# Altium PCB Cueing-PCB.PcbDoc (part 1 of 2) (continued)
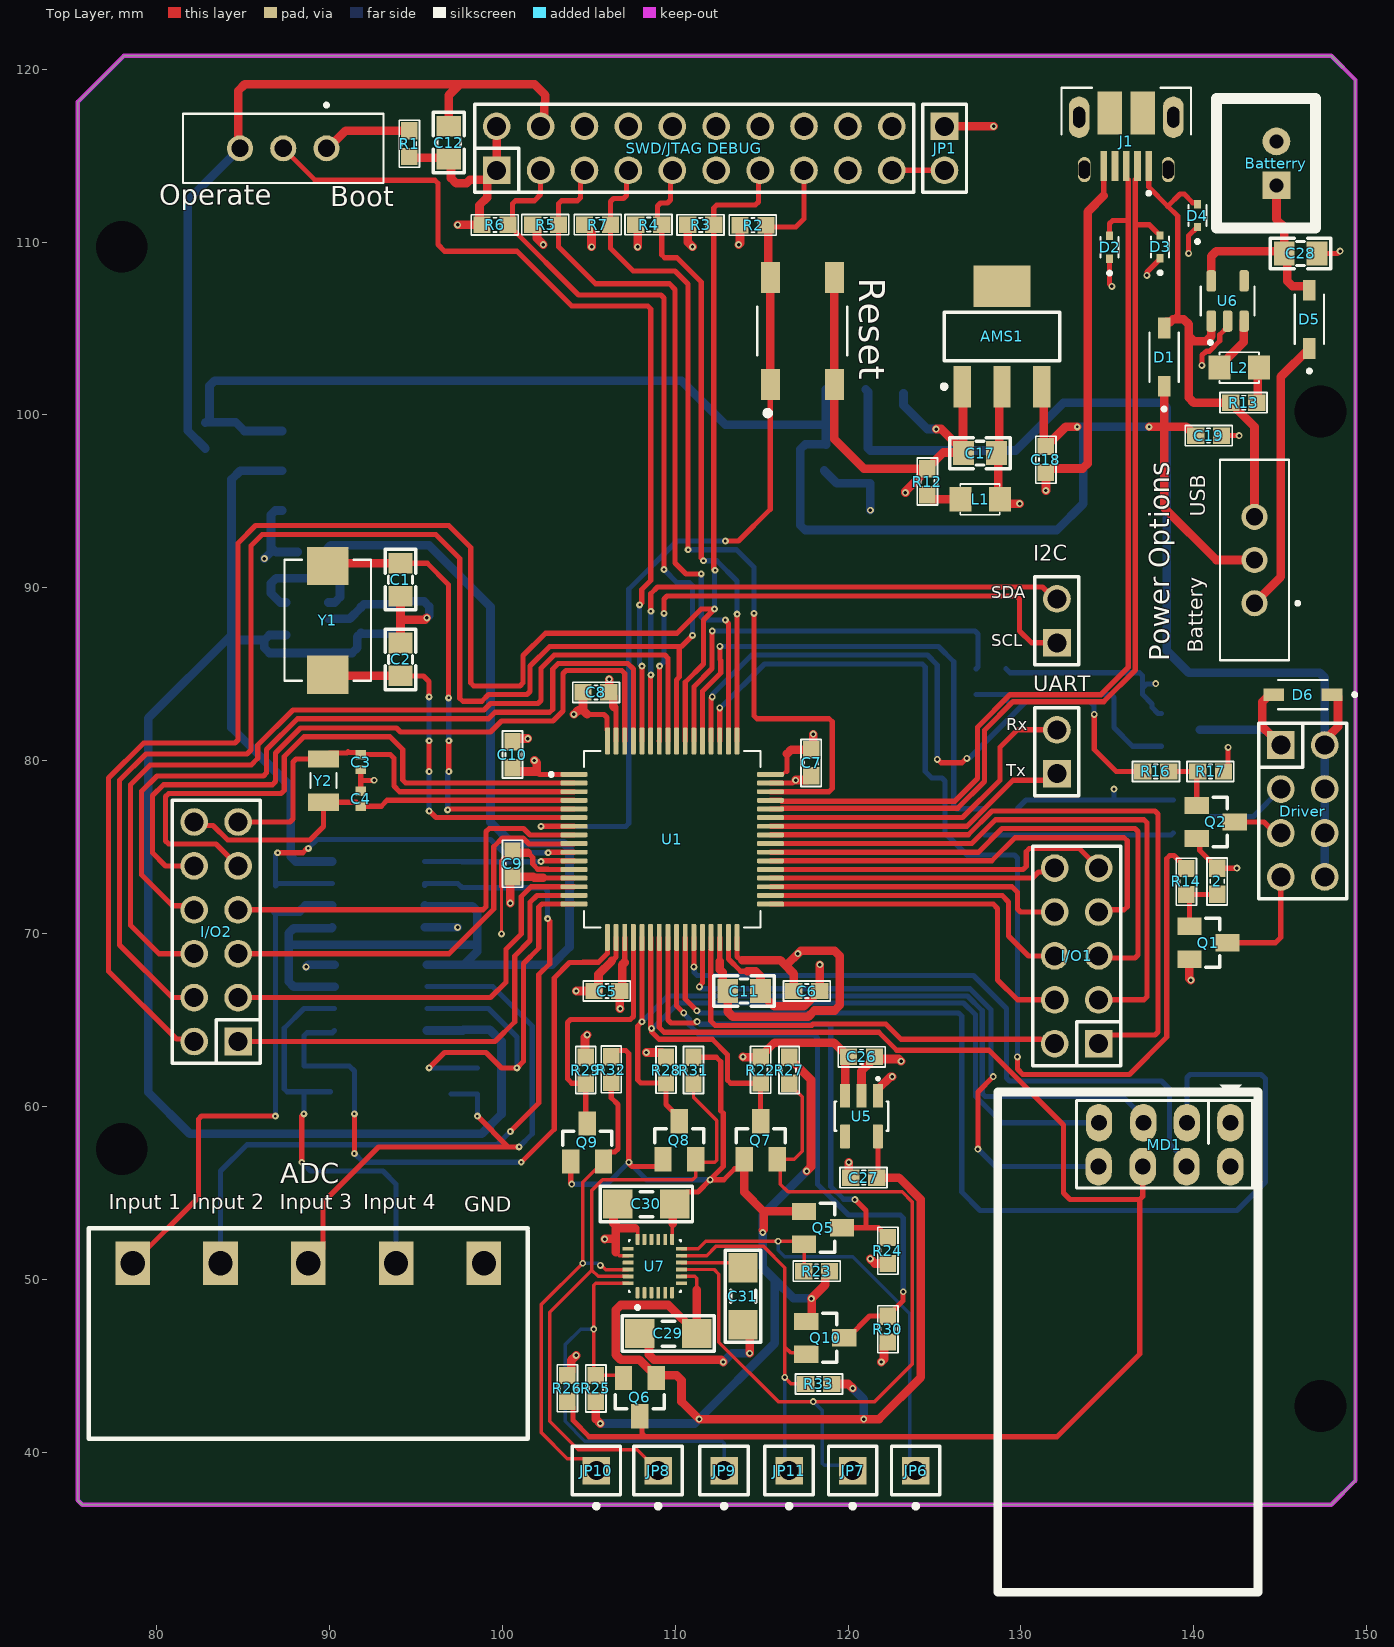
[diagram p0: Top Layer view]
## Components (designator, comment, footprint, x,y, rotation, side; value= is the part's Value field where it differs from the comment) (continued)
R6 "10k" "tro smd 0603" 99.568,110.998 r180 top
R7 "10k" "tro smd 0603" 105.505,111.007 r0 top
R8 "3.9k" "tro smd 0603" 97.663,73.406 r90 bottom
R9 "3.9k" "tro smd 0603" 90.043,61.595 r90 bottom
R10 "3.9k" "tro smd 0603" 88.265,72.009 r90 bottom
R11 "3.9k" "tro smd 0603" 98.552,61.468 r90 bottom
R12 "1k" "tro smd 0603" 124.587,96.139 r90 top
R13 "1k" "tro smd 0603" 142.887,100.711 r180 top
R14 "1k" "tro smd 0603" 139.573,73.013 r270 top
R16 "1k" "tro smd 0603" 137.795,79.375 r0 top
R17 "10k" "tro smd 0603" 140.97,79.375 r180 top
R18 "1k" "tro smd 0603" 127.889,76.454 r270 bottom
R19 "1k" "tro smd 0603" 127.413,84.572 r270 bottom
R20 "10k" "tro smd 0603" 129.794,76.454 r270 bottom
R21 "10k" "tro smd 0603" 129.141,84.572 r270 bottom
R22 "2.2k" "tro smd 0603" 114.935,62.103 r90 top
R23 "2.2k" "tro smd 0603" 118.176,50.466 r0 top
R24 "2.2k" "tro smd 0603" 122.301,51.661 r270 top
R25 "2.2k" "tro smd 0603" 105.41,43.688 r270 top
R26 "2.2k" "tro smd 0603" 103.759,43.688 r90 top
R27 "2.2k" "tro smd 0603" 116.586,62.091 r90 top
R28 "2.2k" "tro smd 0603" 109.466,62.103 r90 top
R29 "2.2k" "tro smd 0603" 104.821,62.091 r90 top
R30 "2.2k" "tro smd 0603" 122.301,47.117 r270 top
R31 "2.2k" "tro smd 0603" 111.056,62.091 r90 top
R32 "2.2k" "tro smd 0603" 106.296,62.129 r90 top
R33 "2.2k" "tro smd 0603" 118.3,43.942 r0 top
Reset "SKQGAFE010" SW_SKQGAFE010 117.349,104.859 r90 top (schematic designator Reset1)
"SWD/JTAG DEBUG" "JP 2x10 2.54" "JP 2x10 DT" 111.1,115.426 r0 top (schematic designator SWD/JTAG1)
U1 "STM32F446RET6" QFP50P1200X1200X160-64N 109.826,75.456 r0 top
U2 "OPA2335AID" SOIC127P599X175-8N 92.837,72.263 r180 bottom
U3 "OPA2335AID" SOIC127P599X175-8N 92.964,66.294 r0 bottom
U4 "LT6650IS5#TRPBF" SOT95P280X100-5N 88.722,88.214 r180 bottom
U5 "AP7331-18WG-7" SOT95P285X145-5N 120.777,59.436 r270 top
U6 "MAX1555EZK+T" SOT95P275X110-5N 141.955,106.594 r90 top
U7 "ICM-20948" QFN40P300X300X105-24N 108.818,50.765 r90 top
UART "JP 1x2 2.54" "JP 1x2 DT" 132.08,79.248 r90 top (schematic designator UART1)
Y1 "ECS-80-20-20A-TR" XTAL_ECS-80-20-20A-TR 89.903,88.121 r270 top
Y2 "CM7V-T1A-32.768KHZ-12.5PF-100PPM-TB-QC" XTAL_CM7V-T1A-32.768KHZ-12.5PF-100PPM-TB-QC 89.649,78.85 r270 top

## Footprints (in the part's own frame and the unit in brackets; to place one, negate y for a bottom-side part, rotate by r counter-clockwise, add the part's x,y. Pads: shape width x height; smd on the part's side, far side on the other; paste and mask are expansions set on the pad)
AMPHENOL_10103594-0001LF [mm]
  rect 0.4x1.75 smd: 1(-1.3,2.825) 2(-0.65,2.825) 3(0,2.825) 4(0.65,2.825) 5(1.3,2.825)
  oval 0.73x1.46 hole 0.65 slot 1.05 at 90 deg mask+0: 6(-2.425,3.03) 7(2.425,3.03)
  oval 1.2x2.4 hole 0.7 slot 1.2 at 90 deg: 8(-2.725,0) 9(2.725,0)
  oval 1.05x2.1 smd far side paste-2: 10(-2.425,3.03) 11(2.425,3.03)
  rect 1.425x2.5 smd: S1(-0.962,-0.25) S2(0.962,-0.25)
  silkscreen extent -3.75,-1.7 3.75,4.5, body extent -4.02,-4.15 4.02,1.88, height 2.95
CAPC1005X55N [mm]
  rect 0.54x0.6 smd: 1(-0.432,0) 2(0.432,0)
  body extent -0.5,-0.25 0.5,0.25, height 0.55
"CON 5 5EDG5.08" [mm]
  rect 2x2.5 hole 1.4: 1(0,0) 2(5.08,0) 3(10.16,0) 4(15.24,0) 5(20.32,0)
  silkscreen extent -2.54,-2.03 22.86,10.16, body extent -2.5,-1.75 22.82,10.25, height 3.15
"JP 1x1 DT" [mm] "1pins, 1 row, straight, gold plating"
  rect 1.6x1.6 hole 1.1: 1(0,0)
  silkscreen extent -1.4,-1.4 1.4,2.17, body extent -1.27,-1.27 1.27,1.27, height 8.54
"JP 1x2 DT" [mm] "2 pins, 1 row, straight, gold plating"
  rect 1.6x1.6 hole 1.1: 1(0,0)
  round 1.6 hole 1.1: 2(2.54,0)
  silkscreen extent -1.27,-1.27 3.81,1.27, body extent -1.27,-1.27 3.81,1.27, height 8.54
"JP 2x4 DT" [mm]
  rect 1.61x1.6 hole 1.1: 1(-3.81,-1.27)
  oval 1.61x1.6 hole 1.1: 2(-1.27,-1.27) 3(1.27,-1.27) 4(3.81,-1.27) 5(3.81,1.27) 6(1.27,1.27) 7(-1.27,1.27) 8(-3.81,1.27)
  silkscreen extent -5.08,-2.54 5.08,2.54, body extent -5.08,-2.54 5.08,2.54, height 8.55
"JP 2x5 DT" [mm] "10 pins, dual pin, straight, gold plating"
  rect 1.6x1.6 hole 1.1: 1(-5.08,-1.27)
  round 1.6 hole 1.1: 2(-2.54,-1.27) 3(0,-1.27) 4(2.54,-1.27) 5(5.08,-1.27) 6(5.08,1.27) 7(2.54,1.27) 8(0,1.27) 9(-2.54,1.27) 10(-5.08,1.27)
  silkscreen extent -6.35,-2.54 6.35,2.54, body extent -6.35,-2.54 6.35,2.54, height 8.55
"JP 2x6 DT" [mm] "12 pins, dual pin, straight, gold plating"
  rect 1.6x1.6 hole 1.1: 1(-6.35,-1.27)
  round 1.6 hole 1.1: 2(-3.81,-1.27) 3(-1.27,-1.27) 4(1.27,-1.27) 5(3.81,-1.27) 6(6.35,-1.27) 7(6.35,1.27) 8(3.81,1.27) 9(1.27,1.27) 10(-1.27,1.27) 11(-3.81,1.27) 12(-6.35,1.27)
  silkscreen extent -7.62,-2.54 7.62,2.54, body extent -7.62,-2.54 7.62,2.54, height 8.55
"JP 2x10 DT" [mm] "20 pins, dual pin, straight, gold plating"
  rect 1.6x1.6 hole 1.1: 1(-11.43,-1.27)
  round 1.6 hole 1.1: 2(-8.89,-1.27) 3(-6.35,-1.27) 4(-3.81,-1.27) 5(-1.27,-1.27) 6(1.27,-1.27) 7(3.81,-1.27) 8(6.35,-1.27) 9(8.89,-1.27) 10(11.43,-1.27) 11(11.43,1.27) 12(8.89,1.27) 13(6.35,1.27) 14(3.81,1.27) 15(1.27,1.27) 16(-1.27,1.27) 17(-3.81,1.27) 18(-6.35,1.27) 19(-8.89,1.27) 20(-11.43,1.27)
  silkscreen extent -12.7,-2.54 12.7,2.54, body extent -12.7,-2.54 12.7,2.54, height 8.55
LED-0805-Green [mil]
  rect 50x55 smd: 1(0,0) 2(90,0)
  silkscreen extent 0,-35 90,35, body extent 5,-25 85,25, height 43
LED-0805-Red [mil]
  rect 50x55 smd: 1(0,0) 2(90,0)
  silkscreen extent 0,-35 90,35, body extent 5,-25 85,25, height 43
NRF24L01 [mil]
  oval 60x86 hole 36: 1(0,0) 2(0,100) 3(99,0) 4(100,100) 5(198,0) 6(199.5,100) 7(299,0) 8(300,100)
  silkscreen extent -63,-86 530,1069, body extent -73,-74 518,1068, height 588
QFN40P300X300X105-24N [mm]
  rrect25% 0.64x0.22 smd: 1(-1.545,1) 2(-1.545,0.6) 3(-1.545,0.2) 4(-1.545,-0.2) 5(-1.545,-0.6) 6(-1.545,-1) 13(1.545,-1) 14(1.545,-0.6) 15(1.545,-0.2) 16(1.545,0.2) 17(1.545,0.6) 18(1.545,1)
  rrect25% 0.22x0.64 smd: 7(-1,-1.545) 8(-0.6,-1.545) 9(-0.2,-1.545) 10(0.2,-1.545) 11(0.6,-1.545) 12(1,-1.545) 19(1,1.545) 20(0.6,1.545) 21(0.2,1.545) 22(-0.2,1.545) 23(-0.6,1.545) 24(-1,1.545)
  silkscreen extent -2.5,-1.5 1.5,1.5, body extent -1.5,-1.5 1.5,1.5, height 1
QFP50P1200X1200X160-64N [mm]
  rrect50% 1.56x0.28 smd: 1(-5.68,3.75) 2(-5.68,3.25) 3(-5.68,2.75) 4(-5.68,2.25) 5(-5.68,1.75) 6(-5.68,1.25) 7(-5.68,0.75) 8(-5.68,0.25) 9(-5.68,-0.25) 10(-5.68,-0.75) 11(-5.68,-1.25) 12(-5.68,-1.75) 13(-5.68,-2.25) 14(-5.68,-2.75) 15(-5.68,-3.25) 16(-5.68,-3.75) 33(5.68,-3.75) 34(5.68,-3.25) 35(5.68,-2.75) 36(5.68,-2.25) 37(5.68,-1.75) 38(5.68,-1.25) 39(5.68,-0.75) 40(5.68,-0.25) 41(5.68,0.25) 42(5.68,0.75) 43(5.68,1.25) 44(5.68,1.75) 45(5.68,2.25) 46(5.68,2.75) 47(5.68,3.25) 48(5.68,3.75)
  rrect50% 0.28x1.56 smd: 17(-3.75,-5.68) 18(-3.25,-5.68) 19(-2.75,-5.68) 20(-2.25,-5.68) 21(-1.75,-5.68) 22(-1.25,-5.68) 23(-0.75,-5.68) 24(-0.25,-5.68) 25(0.25,-5.68) 26(0.75,-5.68) 27(1.25,-5.68) 28(1.75,-5.68) 29(2.25,-5.68) 30(2.75,-5.68) 31(3.25,-5.68) 32(3.75,-5.68) 49(3.75,5.68) 50(3.25,5.68) 51(2.75,5.68) 52(2.25,5.68) 53(1.75,5.68) 54(1.25,5.68) 55(0.75,5.68) 56(0.25,5.68) 57(-0.25,5.68) 58(-0.75,5.68) 59(-1.25,5.68) 60(-1.75,5.68) 61(-2.25,5.68) 62(-2.75,5.68) 63(-3.25,5.68) 64(-3.75,5.68)
  silkscreen extent -7.1,-5.1 5.1,5.1
SOD3715X145N [mm]
  rect 1.21x0.73 smd: A(1.68,0) C(-1.68,0)
  silkscreen extent -3.1,-0.85 1.43,0.85, body extent -1.83,-0.77 1.83,0.77, height 0.8
SOIC127P599X175-8N [mm]
  rrect25% 1.58x0.6 smd: 1(-2.67,1.905) 2(-2.67,0.635) 3(-2.67,-0.635) 4(-2.67,-1.905) 5(2.67,-1.905) 6(2.67,-0.635) 7(2.67,0.635) 8(2.67,1.905)
  silkscreen extent -4.35,-2.52 1.99,2.6, body extent -3,-2.45 3,2.45, height 1.75
SOT23 [mm]
  rect 1x1.4 smd: 1(-0.95,-1.1) 2(0.95,-1.1) 3(0,1.1)
  silkscreen extent -1.42,-0.15 1.42,0.66, body extent -1.18,-1.46 1.19,1.46, height 1.25
SOT95P275X110-5N [mm]
  rrect50% 1.24x0.55 smd: 1(-1.16,0.95) 2(-1.16,0) 3(-1.16,-0.95) 4(1.16,-0.95) 5(1.16,0.95)
  silkscreen extent -2.5,-1.55 0.83,1.55
SOT95P280X100-5N [mil]
  rect 48x20 smd: 1(-48,37) 2(-48,0) 3(-48,-37) 4(48,-37) 5(48,37)
  silkscreen extent -16,-57 34,57, body extent -55,-57 55,57, height 39
SOT95P285X145-5N [mm]
  rrect15% 1.37x0.59 smd: 1(-1.175,0.95) 2(-1.175,0) 3(-1.175,-0.95) 4(1.175,-0.95) 5(1.175,0.95)
  silkscreen extent -2.23,-1.55 0.85,1.55, body extent -1.4,-1.5 1.4,1.5, height 1.4
SOT223 [mm]
  rect 1x2.4 smd: 1(-2.3,-2.9) 2(0,-2.9) 3(2.3,-2.9)
  rect 3.3x2.4 smd: 4(0,2.9)
  silkscreen extent -3.47,-3.02 3.35,1.4, body extent -3.25,-3.56 3.25,3.4, height 1.68
SW_EG1218 [mm]
  round 1.508 hole 1 mask+0.05: 1(-2.5,0) 2(0,0) 3(2.5,0)
  silkscreen extent -5.8,-2.6 5.8,2, body extent -5.8,-7 5.8,5.1, height 2
SW_SKQGAFE010 [mm]
  rect 1.8x1.1 smd: 1(-3.1,1.85) 2(3.1,1.85) 3(-3.1,-1.85) 4(3.1,-1.85)
  silkscreen extent -4.9,-2.6 1.4,2.6
"tro smd 0603" [mm] "Chip Capacitor, 2-Leads, Body 1,60x0,80mm, IPC Medium Density"
  rect 1x0.95 smd mask+0.076: 1(-0.75,0) 2(0.75,0)
  silkscreen extent -1.35,-0.58 1.37,0.58, body extent -0.82,-0.42 0.82,0.43, height 0.44
"tu 0603" [mm] "Chip Capacitor, 2-Leads, Body 1,60x0,80mm, IPC Medium Density"
  rect 1x0.95 smd mask+0.076: 1(-0.75,0) 2(0.75,0)
  silkscreen extent -1.35,-0.58 1.37,0.58, body extent -0.8,-0.4 0.8,0.4, height 0.9
"tu 0805" [mm] "Compoment SMD 80x50mil"
  rect 1.2x1.4 smd: 1(-0.946,-0.003) 2(0.954,-0.003)
  silkscreen extent -1.75,-0.89 1.75,0.89, body extent -1.01,-0.64 1.01,0.63, height 0.61
"tu 1206" [mm]
  rect 1.7x1.7 smd: 1(-1.65,0) 2(1.65,0)
  silkscreen extent -2.67,-1.02 2.67,1.02, body extent -1.57,-0.8 1.63,0.8, height 0.94
TVS_LESD5D5.0CT1G [mm]
  rect 0.48x0.4 smd: 1(-0.66,0) 2(0.66,0)
  silkscreen extent -1.6,-0.52 0.6,0.52, body extent -0.8,-0.4 0.8,0.4, height 0.7
XH2.54M-2 [mm]
  rect 1.6x1.6 hole 0.8: 1(0,0)
  round 1.6 hole 0.8: 2(2.54,0)
  silkscreen extent -2.48,-2.26 5.02,3.46, body extent -2.48,-2.26 5.02,3.48, height 6.91
XTAL_CM7V-T1A-32.768KHZ-12.5PF-100PPM-TB-QC [mm]
  rect 1x1.8 smd: 1(-1.25,0) 2(1.25,0)
  silkscreen extent -0.43,-0.75 0.43,0.75, body extent -1.6,-0.75 1.6,0.75, height 0.65
XTAL_ECS-80-20-20A-TR [mm]
  rect 2.2x2.4 smd: 1(-3.15,0) 2(3.15,0)
  silkscreen extent -3.5,-2.5 3.5,2.5, body extent -3.5,-2.5 3.5,2.5, height 1.7

## Part data
2 R1 R2 R3 R4 R5 R6 R7 R17 R20 R21: library part "Tro 0603 1% 10k", "Dán", Chung_Loai=Dán, Don_Vi=Con, Ma_Hang=MH006333, So_Chan=2, Ten_Linh_Kien="Trở 0603 1% 10k"
ADC: "Cắm", Chung_Loai=Cắm, Don_Vi=Con, Ma_Hang=MH003589, Ten_Linh_Kien="CON 5 2EDG5.08-5P 5.08MM ( Xanh Cong)"
AMS1 AMS2 AMS3: library part "AMS1117 SMD", "Dán", Chung_Loai=Dán, Don_Vi=Con, Ma_Hang=MH000596
Batterry: library part "Header 2P 2.54 Duc Thang", "Cắm", Chung_Loai=Cắm, Don_Vi=Con, Ma_Hang=MH001283, Ten_Linh_Kien="Header 2P XH2.54-2P Đực Thẳng"
Boot "Power Options": "Slide Switch, EG Series, SPDT, Non-Shorting, ON-ON, 200mA DC, 30VDC, PC Pin", Package=None, Check_prices=https://www.snapeda.com/parts/EG1218/E-Switch/view-part/?ref=eda, MF=E-Switch, MP=EG1218, SnapEDA_Link=https://www.snapeda.com/parts/EG1218/E-Switch/view-part/?ref=snap
C1 C2: library part "Tu 0805 20pF 50V 10%", "Dán", Chung_Loai=Dán, Don_Vi=Con, Ma_Hang=MH004558, So_Chan=2, Ten_Linh_Kien="Tụ 0805 20P 10% 50V"
C3 C4: "0402 12 pF 50 V Â±5% Tolerance C0G SMT Multilayer Ceramic Capacitor", Package=None, Availability=Unavailable, MF="{'manufacturer': u'Murata'}", MP=GRM1555C1H120JA01D, Price=None
C5 C6 C7 C8 C9 C10: library part "Tu 0603 103 50V 10%", "Dán", Chung_Loai=Dán, Don_Vi=Con, Ma_Hang=MH004567, So_Chan=2, Ten_Linh_Kien="Tụ 0603 103-10nF 10% 50V"
C11 C12: library part "Tu 0805 225 25V 10%", "Dán", Chung_Loai=Dán, Don_Vi=Con, Ma_Hang=MH007483, So_Chan=2, Ten_Linh_Kien="Tụ 0805 225-2.2uF 25V 10%"
C13 C14 C15 C16: library part "Tu 0603 470pF 50V 10%", "Dán", Chung_Loai=Dán, Don_Vi=Con, Ma_Hang=MH004571, So_Chan=2, Ten_Linh_Kien="Tụ 0603 470P 50V 10%"
C17 C22 C24: library part "Tu 0805 224 50V 10%", "Dán", Chung_Loai=Dán, Don_Vi=Con, Ma_Hang=MH004559, So_Chan=2, Ten_Linh_Kien="Tụ 0805 224-0.22uF 10% 50V"
C18 C19 C23 C25: library part "Tu 0603 106 16V 20%", "Dán", Chung_Loai=Dán, Don_Vi=Con, Ma_Hang=MH004848, So_Chan=2, Ten_Linh_Kien="Tụ 0603-10uF 20% 16V"
C20 C21 C26 C27: library part "Tu 0603 105 16V 20%", "Dán", Chung_Loai=Dán, Don_Vi=Con, Ma_Hang=MH004574, So_Chan=2, Ten_Linh_Kien="Tụ 0603 105-1uF 20% 16V"
C28: library part "Tu 0805 10pF 50V 10%", "Dán", Chung_Loai=Dán, Don_Vi=Con, Ma_Hang=MH004554, So_Chan=2, Ten_Linh_Kien="Tụ 0805 10P 10% 50V"
C29 C30 C31: library part "Tu 1206 104 50V 20%", "Dán", Chung_Loai=Dán, Don_Vi=Con, Ma_Hang=MH004544, So_Chan=2, Ten_Linh_Kien="Tụ 1206 104-0.1uF 20% 50V"
D1 D5 D6: "1N5819HW Series 40 V 1 A Surface Mount Schottky Barrier Rectifier - SOD-123", Package=None, Availability=Unavailable, MF="{'manufacturer': u'Diodes Inc.'}", MP=1N5819HW-7-F, Price=None
D2 D3 D4 U2 U3 U6 Y2: Package=None, Availability=Unavailable, Price=None
  D2 D3 D4: MF="{'manufacturer': u'Leshan Radio Co.'}", MP=LESD5D5.0CT1G
  U2 U3: MF="{'manufacturer': u'Texas Instruments'}", MP=OPA2335AID
  U6: MF="{'manufacturer': u'Analog Devices'}", MP=MAX1555EZK+
  Y2: MF="{'manufacturer': u'Micro Crystal'}", MP=CM7V-T1A-32.768KHZ-12.5PF-100PPM-TB-QC
Driver: library part "JP 2x4 2.54 Duc Thang", "Cắm", Chung_Loai=Cắm, Don_Vi=Con, Ma_Hang=MH002686, Ten_Linh_Kien="Jump Đôi Đực 2.54MM 2x40P Thẳng 11MM"
I2C JP1 UART: library part "JP 1x2 2.54 Duc Thang", "Cắm", Chung_Loai=Cắm, Don_Vi=Con, Ma_Hang=MH000903, Ten_Linh_Kien="Jump Đơn Đực 2.54MM 1x40P Thẳng 11MM"
I/O1: library part "JP 2x5 2.54 Duc Thang", "Cắm", Chung_Loai=Cắm, Don_Vi=Con, Ma_Hang=MH002686, Ten_Linh_Kien="Jump Đôi Đực 2.54MM 2x40P Thẳng 11MM"
I/O2: library part "JP 2x6 2.54 Duc Thang", "Cắm", Chung_Loai=Cắm, Don_Vi=Con, Ma_Hang=MH002686, Ten_Linh_Kien="Jump Đôi Đực 2.54MM 2x40P Thẳng 11MM"
J1: "USB - micro B USB 2.0 Receptacle Connector 5 Position Surface Mount, Right Angle; Through Hole", Package=None, Availability=Unavailable, MF="{'manufacturer': u'FCI Connectors'}", MP=10103594-0001LF, Price=None
JP6 JP7 JP8 JP9 JP10 JP11: library part "JP 1x1 2.54 Duc Thang", "Cắm", Chung_Loai=Cắm, Don_Vi=Con, Ma_Hang=MH000903, Ten_Linh_Kien="Jump Đơn Đực 2.54MM 1x40P Thẳng 11MM"
L1: library part "LED 0805 Xanh La", "Dán", Chung_Loai=Dán, Don_Vi=Con, Ma_Hang=MH002326, Ten_Linh_Kien="LED 0805 Màu Xanh Lá (Green)"
L2: library part "LED 0805 Do", "Dán", Chung_Loai=Dán, Don_Vi=Con, Ma_Hang=MH000897, Ten_Linh_Kien="LED 0805 Màu Đỏ (Red)"
Q1 Q2 Q3 Q4 Q5 Q6 Q7 Q8 Q9 Q10: "<b>N-Channel MOSFET</b>    <a href=\"https://pricing.snapeda.com/parts/SI2312/Micro%20Commercial%20Components/view-part?ref=eda\">Check availability</a> <a href=\"https://pricing.snapeda.com/parts/SI2312/Micro%20Commercial%20Components/view-part?ref=eda\">Check availability</a>", Package=None, Availability=Unavailable, MF="{'manufacturer': u'Micro Commercial Components'}", MP=SI2312-TP, Price=None
R8 R9 R10 R11: library part "Tro 0603 1% 3.9k", "Dán", Chung_Loai=Dán, Don_Vi=Con, Ma_Hang=MH005793, So_Chan=2, Ten_Linh_Kien="Trở 0603 1% 3.9k"
R12: library part "Tro 0603 5% 1k", "Dán", Chung_Loai=Dán, Don_Vi=Con, Ma_Hang=MH006319, So_Chan=2, Ten_Linh_Kien="Trở 0603 5% 1k"
R13 R14 R16 R18 R19: library part "Tro 0603 1% 1k", "Dán", Chung_Loai=Dán, Don_Vi=Con, Ma_Hang=MH006334, So_Chan=2, Ten_Linh_Kien="Trở 0603 1% 1k"
R22 R23 R24 R25 R26 R27 R28 R29 R30 R31 R32 R33: library part "Tro 0603 5% 2.2k", "Dán", Chung_Loai=Dán, Don_Vi=Con, Ma_Hang=MH006321, So_Chan=2, Ten_Linh_Kien="Trở 0603 5% 2.2k"
Reset: "Switch Tactile N.O. SPST Button Gull Wing 0.05A 12VDC 0.98N SMD T/R", Package=None, Availability=Unavailable, MF="{'manufacturer': u'ALPS'}", MP=SKQGAFE010, Price=None
"SWD/JTAG DEBUG": library part "JP 2x10 2.54 Duc Thang", "Cắm", Chung_Loai=Cắm, Don_Vi=Con, Ma_Hang=MH002686, Ten_Linh_Kien="Jump Đôi Đực 2.54MM 2x40P Thẳng 11MM"
U1: "MCU 32-Bit STM32 ARM Cortex M4 RISC 512KB Flash 2.5V/3.3V 64-Pin LQFP Tray", Package=None, Availability=Unavailable, MF="{'manufacturer': u'STMicroelectronics'}", MP=STM32F446RET6, Price=None
U4: "Micropower, 400mV Reference with Rail-to-Rail Buffer Amplifier", Package=None, Availability=Unavailable, MF="{'manufacturer': u'Analog Devices'}", MP=LT6650IS5#TRPBF, Price=None
U5: "LDO Regulator Pos 1.8V 0.3A 5-Pin SOT-25 T/R", Package=None, Availability=Unavailable, MF="{'manufacturer': u'Diodes Inc.'}", MP=AP7331-18WG-7, Price=None
U7: "Accelerometer, Gyroscope, Magnetometer, 9 Axis Sensor IÂ²C, SPI Output", Package=None, Availability=Unavailable, MF="{'manufacturer': u'TDK InvenSense'}", MP=ICM-20948, Price=None
Y1: "SMD CRYSTAL", Package=None, Availability=Unavailable, MF="{'manufacturer': u'ECS Inc.'}", MP=ECS-80-20-20A-TR, Price=None

## Free pads (board coordinates)
  round 1.524 hole 3: 2(77.978,109.728) 3(147.32,42.672) 4(77.978,57.531) 5(147.32,100.203)

## Via types
v1: diameter 0.4, hole 0.2, Top Layer to Bottom Layer, 87 vias
v2: diameter 0.4, hole 0.15, Top Layer to Bottom Layer, 44 vias

## Nets (pads, with @x,y where several pads share a name; then routed paths per layer and width w, separated by ;. In a path a pad name is that pad's centre, name@x,y a point inside that pad or via, vN(x,y) a via of type N, cw(c..) or ccw(c..) an arc to the next point about the centre after c; other vN are vias at no path point)
0.4V: C21.1 U2.3 U2.5 U3.3 U3.5 U4.1 U4.5 | length 78.8
  Bottom Layer w0.5: U4.5@87.503,89.154 87.147,89.154 86.614,89.687 86.614,90.258 86.907,90.551 90.313,90.551 90.606,90.258 ; C21.1@89.662,92.075 C21.1@89.687,92.075 ; U4.1@89.941,89.154 90.297,89.154 90.606,89.463 90.606,90.258 ; U2.5@90.167,70.358 90.117,70.308 87.923,70.308 87.63,70.015 87.63,69.215 ; U3.3@90.294,66.929 87.923,66.929 87.63,67.222 87.63,69.215 ; U2.3@95.507,71.628 95.557,71.578 98.259,71.578 98.552,71.285 98.552,69.342 ; U3.5@95.634,68.199 97.79,68.199 ; 87.63,69.215 87.757,69.342 98.552,69.342 ; C21.1@89.687,92.075 90.068,92.456 95.758,92.456 99.314,88.9 99.314,76.454 100.542,75.226 103.551,75.226 103.886,74.891 103.886,69.215 102.87,68.199 97.79,68.199 ; C21.1@89.687,92.075 90.606,91.156 90.606,90.258 ; 97.79,68.199 98.552,68.961 98.552,69.342
+1.8V: C27.1 C29.1 C30.1 Q5.1 Q6.1 Q7.1 Q8.1 Q9.1 Q10.1 R23.2 R25.2 R27.2 R31.2 R32.2 R33.2 U5.5 U7.8 U7.13 | length 133.7
  Top Layer w0.2: U7.13@109.818,52.31 109.818,53.176 109.855,53.213 ; U7.8@110.363,50.165 111.135,50.165 111.252,50.048 111.252,49.403 ; v1(115.062,52.705) v1@115.062,52.832
  Top Layer w0.3: Q9.1@103.952,56.812 103.952,55.56 v1(104.013,55.499) ; R32.2@106.296,62.879 106.296,62.904 106.621,63.229 107.139,63.229 107.315,63.053 v1(107.315,56.769) 107.315,56.691 107.491,56.515 108.936,56.515 109.286,56.865 Q8.1@109.286,56.939 ; C30.1@109.981,54.356 110.681,55.056 111.317,55.056 v1(112.014,55.753) ; R31.2@111.056,62.841 112.371,62.841 112.63,62.582 112.63,59.749 112.776,59.603 112.776,56.515 v1(112.014,55.753) ; Q7.1@113.995,56.939 113.995,56.739 113.645,56.389 113.445,56.389 112.809,55.753 v1(112.014,55.753) ; C27.1@121.654,55.88 121.727,55.953 U5.5@121.727,58.261
  Top Layer w0.5: R25.2@105.41,42.938 105.41,41.91 v1(105.664,41.656) ; 109.855,53.213 109.855,54.23 C30.1@109.981,54.356 ; 111.252,49.403 C29.1@111.252,46.863 109.601,48.514 106.846,48.514 106.553,48.221 106.553,45.632 106.846,45.339 107.926,45.339 108.535,44.73 108.65,44.73 108.9,44.48 Q6.1@108.9,44.28 109.07,44.45 110.07,44.45 110.363,44.157 110.363,42.926 v1(111.379,41.91) v1(120.904,41.91) 121.793,41.91 124.206,44.323 124.206,54.611 122.937,55.88 C27.1@121.654,55.88 ; Q7.1@113.995,56.739 113.995,55.042 115.112,53.925 ; v1@115.062,52.832 115.112,52.882 115.112,53.925 ; R27.2@116.586,62.841 116.586,62.816 117.856,61.546 117.856,56.515 v1(117.602,56.261) ; Q5.1@117.454,53.925 115.112,53.925 ; Q10.1@117.581,47.559 117.647,47.559 117.897,47.809 v1@117.897,48.768 ; v1(117.872,48.879) 118.676,49.683 118.676,50.241 118.901,50.466 R23.2@118.926,50.466 ; R33.2@119.05,43.942 120.015,43.942 v1(120.269,43.688)
  Bottom Layer w0.3: v1(104.013,55.499) 106.045,55.499 v1(107.315,56.769) 108.331,55.753 v1(112.014,55.753)
  Bottom Layer w0.5: v1(105.664,41.656) 111.125,41.656 v1(111.379,41.91) 115.76,46.291 115.76,49.974 ; v1(117.602,56.261) 115.062,53.721 v1(115.062,52.705) 115.062,50.673 115.76,49.974 ; v1(117.872,48.879) 117.856,48.895 116.84,48.895 115.76,49.974 ; v1(120.269,43.688) 120.904,43.053 v1(120.904,41.91)
+3.3V_STM32: "SWD/JTAG DEBUG.1" "SWD/JTAG DEBUG.20" AMS1.2 C5.1 C6.1 C7.1 C8.1 C9.1 C10.1 C11.1 C12.1 C17.1 C26.1 JP1.1 L1.1 MD1.2 R1.2 R2.2 R3.2 R4.2 R5.2 R6.2 R22.2 R24.2 R26.2 R28.2 R29.2 R30.2 U1.1 U1.13 U1.19 U1.30 U1.32 U1.48 U1.64 U5.1 U5.3 | length 92.5
  Top Layer w0.2: U1.48@115.506,79.206 115.546,79.246 116.258,79.246 116.387,79.375 116.459,79.375
  Top Layer w0.3: 101.981,79.375 102.15,79.206 U1.1@104.146,79.206 ; 102.362,73.218 102.374,73.206 U1.13@104.146,73.206 ; 104.902,82.677 105.869,82.677 106.045,82.501 106.045,81.848 106.066,81.827 U1.64@106.066,81.766 ; 107.061,68.326 107.061,68.58 107.076,68.595 U1.19@107.076,69.776 ; 112.576,68.399 U1.30@112.576,69.776 ; U1.32@113.576,69.776 113.576,68.672 113.795,68.453 113.889,68.453 ; 116.459,79.375 116.459,80.391
  Top Layer w0.5: R1.2@94.615,114.947 94.684,114.877 96.832,114.877 C12.1@96.901,114.808 97.028,114.681 97.028,113.704 97.321,113.411 97.924,113.411 98.12,113.606 99.12,113.606 ; v1(97.409,110.998) R6.2@98.818,110.998 98.679,111.137 98.679,112.141 99.12,112.582 99.12,113.606 ; 99.67,116.696 99.67,114.156 99.12,113.606 ; v1(100.454,71.755) 100.454,73.149 C9.1@100.584,73.279 101.781,73.279 101.842,73.218 102.362,73.218 ; C10.1@100.584,79.591 100.8,79.375 101.981,79.375 101.981,79.883 v1(101.854,80.01) ; R5.2@101.748,111.007 101.773,111.007 101.998,110.782 101.998,110.219 v1(102.362,109.855) ; R26.2@103.759,44.438 103.984,44.663 103.984,45.31 v1(104.267,45.593) ; v1(104.14,82.677) 104.382,82.919 104.66,82.919 ; C8.1@104.66,83.947 104.66,82.919 ; R29.2@104.821,62.841 104.775,62.887 104.775,64.008 v1(104.902,64.135) ; 104.902,82.677 104.66,82.919 ; v1(106.807,65.659) 106.795,65.671 C5.1@106.795,66.675 106.934,66.814 106.934,68.199 107.061,68.326 ; R4.2@107.717,111.013 107.823,110.908 v1(107.823,109.728) ; v1(108.331,63.119) 109.225,63.119 109.466,62.878 R28.2@109.466,62.853 ; R3.2@110.725,110.993 110.725,110.001 v1(110.998,109.728) ; 112.576,68.399 112.576,67.916 112.743,67.749 112.743,66.962 C11.1@113.03,66.675 113.03,65.479 113.323,65.186 117.687,65.186 118.05,65.55 119.214,65.55 119.507,65.842 119.507,68.715 119.214,69.008 117.268,69.008 v1(117.094,68.834) 116.522,68.263 116.268,68.263 ; v1(113.665,109.855) 113.748,109.938 R2.2@113.748,110.987 ; 113.889,68.453 116.078,68.453 116.268,68.263 ; v1(113.919,62.865) 113.931,62.853 R22.2@114.935,62.853 114.935,62.878 115.748,63.691 119.176,63.691 120.002,62.865 C26.1@120.027,62.865 119.827,62.665 U5.3@119.827,60.611 ; 116.459,80.391 116.701,80.633 C7.1@117.856,80.633 117.983,80.76 v1(117.983,81.534) ; C6.1@116.852,66.675 116.852,67.679 116.268,68.263 ; v1(121.285,51.181) 121.555,50.911 R24.2@122.301,50.911 ; U5.1@121.727,60.611 121.727,61.001 122.448,61.722 v1(122.555,61.722) ; v1(121.92,45.212) 122.076,45.368 122.076,46.142 R30.2@122.301,46.367 ; JP1.1@125.578,116.696 v1(128.414,116.696) ; AMS1.2@128.905,101.642 128.743,101.48 128.743,97.956 C17.1@128.581,97.793 128.679,97.695 128.679,95.222 L1.1@128.778,95.123 129.032,94.869 v1(129.921,94.869)
+5V: "Power Options.2" AMS1.3 AMS2.3 AMS3.3 C18.1 C19.1 C23.1 C25.1 D1.C | length 100.8
  Top Layer w0.5: AMS1.3@131.205,101.642 131.325,101.522 131.325,98.291 C18.1@131.445,98.171 131.445,98.196 131.67,98.421 131.695,98.421 132.588,99.314 v2(133.258,99.314) ; v2(137.414,99.314) 138.281,99.314 ; D1.C@138.281,101.662 138.281,99.314 ; C19.1@140.093,98.806 140.068,98.806 139.56,99.314 138.281,99.314 ; 143.51,91.607 141.311,91.607 138.281,94.637 138.281,99.314
  Bottom Layer w0.5: C23.1@82.804,99.556 82.835,99.587 C23.1@83.058,99.587 ; AMS2.3@87.27,99.074 85.076,99.074 84.563,99.587 C23.1@83.058,99.587 ; C25.1@118.618,98.298 117.514,98.298 117.221,98.005 117.221,93.638 117.514,93.345 132.08,93.345 133.604,94.869 133.604,99.314 ; C25.1@118.717,98.27 118.717,99.314 ; AMS3.3@118.717,101.473 118.717,99.314 ; v2(133.258,99.314) 133.604,99.314 ; v2(137.414,99.314) 133.604,99.314 ; C23.1@83.058,99.587 83.058,101.688 83.351,101.981 110.363,101.981 112.903,99.441 118.717,99.441 118.717,99.314
+AVCC: AMS2.2 C20.1 C22.1 U2.8 U3.8 U4.4 | length 100.8
  Bottom Layer w0.5: AMS2.2@87.27,96.774 84.836,96.774 84.328,96.266 84.328,87.274 ; U4.4@87.503,87.274 86.526,87.274 86.233,86.982 ; U2.8@90.167,74.168 88.05,74.168 87.757,74.461 87.757,78.486 84.328,81.915 84.328,87.274 ; C22.1@94.104,87.319 94.069,87.354 91.855,87.354 C20.1@91.821,87.388 91.596,87.163 91.596,86.526 91.303,86.233 86.526,86.233 86.233,86.526 86.233,86.982 ; U3.8@95.634,64.389 97.697,64.389 97.744,64.436 99.267,64.436 99.949,63.754 99.949,59.563 98.806,58.42 81.915,58.42 79.502,60.833 79.502,82.448 84.328,87.274 ; 84.328,87.274 84.621,86.982 86.233,86.982
+V_Bat: "Power Options.1" D5.C | length 16.1
  Top Layer w0.5: 143.51,89.107 145.034,90.631 145.034,102.206 D5.C@146.685,103.857
+V_Driver: AMS3.2 C24.1 D6.C Driver.5 Driver.6 Driver.7 Driver.8 | length 60.9
  Top Layer w0.5: Driver.8@147.574,80.899 147.574,81.202 148.339,81.967 148.339,83.705 148.224,83.82 D6.C@147.984,83.82
  Bottom Layer w0.5: AMS3.2@121.017,101.473 121.151,101.339 121.151,98.076 C24.1@121.284,97.943 129.693,97.943 132.461,100.711 138.137,100.711 138.43,100.418 138.43,86.36 139.7,85.09 147.281,85.09 147.574,84.797 Driver.8@147.574,80.899 Driver.7@147.574,78.359 Driver.6@147.574,75.819 Driver.5@147.574,73.279
+V_USB: "Power Options.3" D1.A D4.2 J1.1 R13.2 U6.1 | length 30.3
  Top Layer w0.3: J1.1@137.39,114.4 137.39,113.181 138.494,112.078 ; 138.796,105.537 139.065,105.806 139.065,111.506 138.494,112.078 ; D4.2@140.208,112.191 140.208,112.231 140.158,112.281 139.941,112.281 139.443,112.779 139.195,112.779 138.494,112.078
  Top Layer w0.5: D1.A@138.281,105.022 138.281,105.262 138.396,105.377 138.636,105.377 138.796,105.537 139.407,105.537 139.7,105.244 139.7,104.56 ; U6.1@141.005,105.434 141.005,104.56 140.712,104.267 139.993,104.267 139.7,104.56 ; R13.2@142.137,100.711 R13.2@142.112,100.711 ; 143.51,94.107 143.51,99.313 142.387,100.436 142.387,100.486 142.162,100.711 R13.2@142.112,100.711 ; 139.7,104.56 139.7,101.004 139.993,100.711 R13.2@142.112,100.711
Boot: Boot.2 U1.60 | length 52.5
  Top Layer w0.3: Boot.2@87.323,115.426 89.169,113.58 96.09,113.58 96.266,113.404 96.266,109.855 96.647,109.474 100.838,109.474 104.013,106.299 108.409,106.299 108.585,106.123 108.585,90.424 108.058,89.897 108.058,89.135 v2(107.94,89.017) ; U1.60@108.076,81.136 108.076,85.47 v2(108.077,85.471)
  Bottom Layer w0.3: v2(107.94,89.017) 107.94,85.608 v2(108.077,85.471)